# Allegro board Single PMT Data AcquisitionV_3P3.brd (continued)
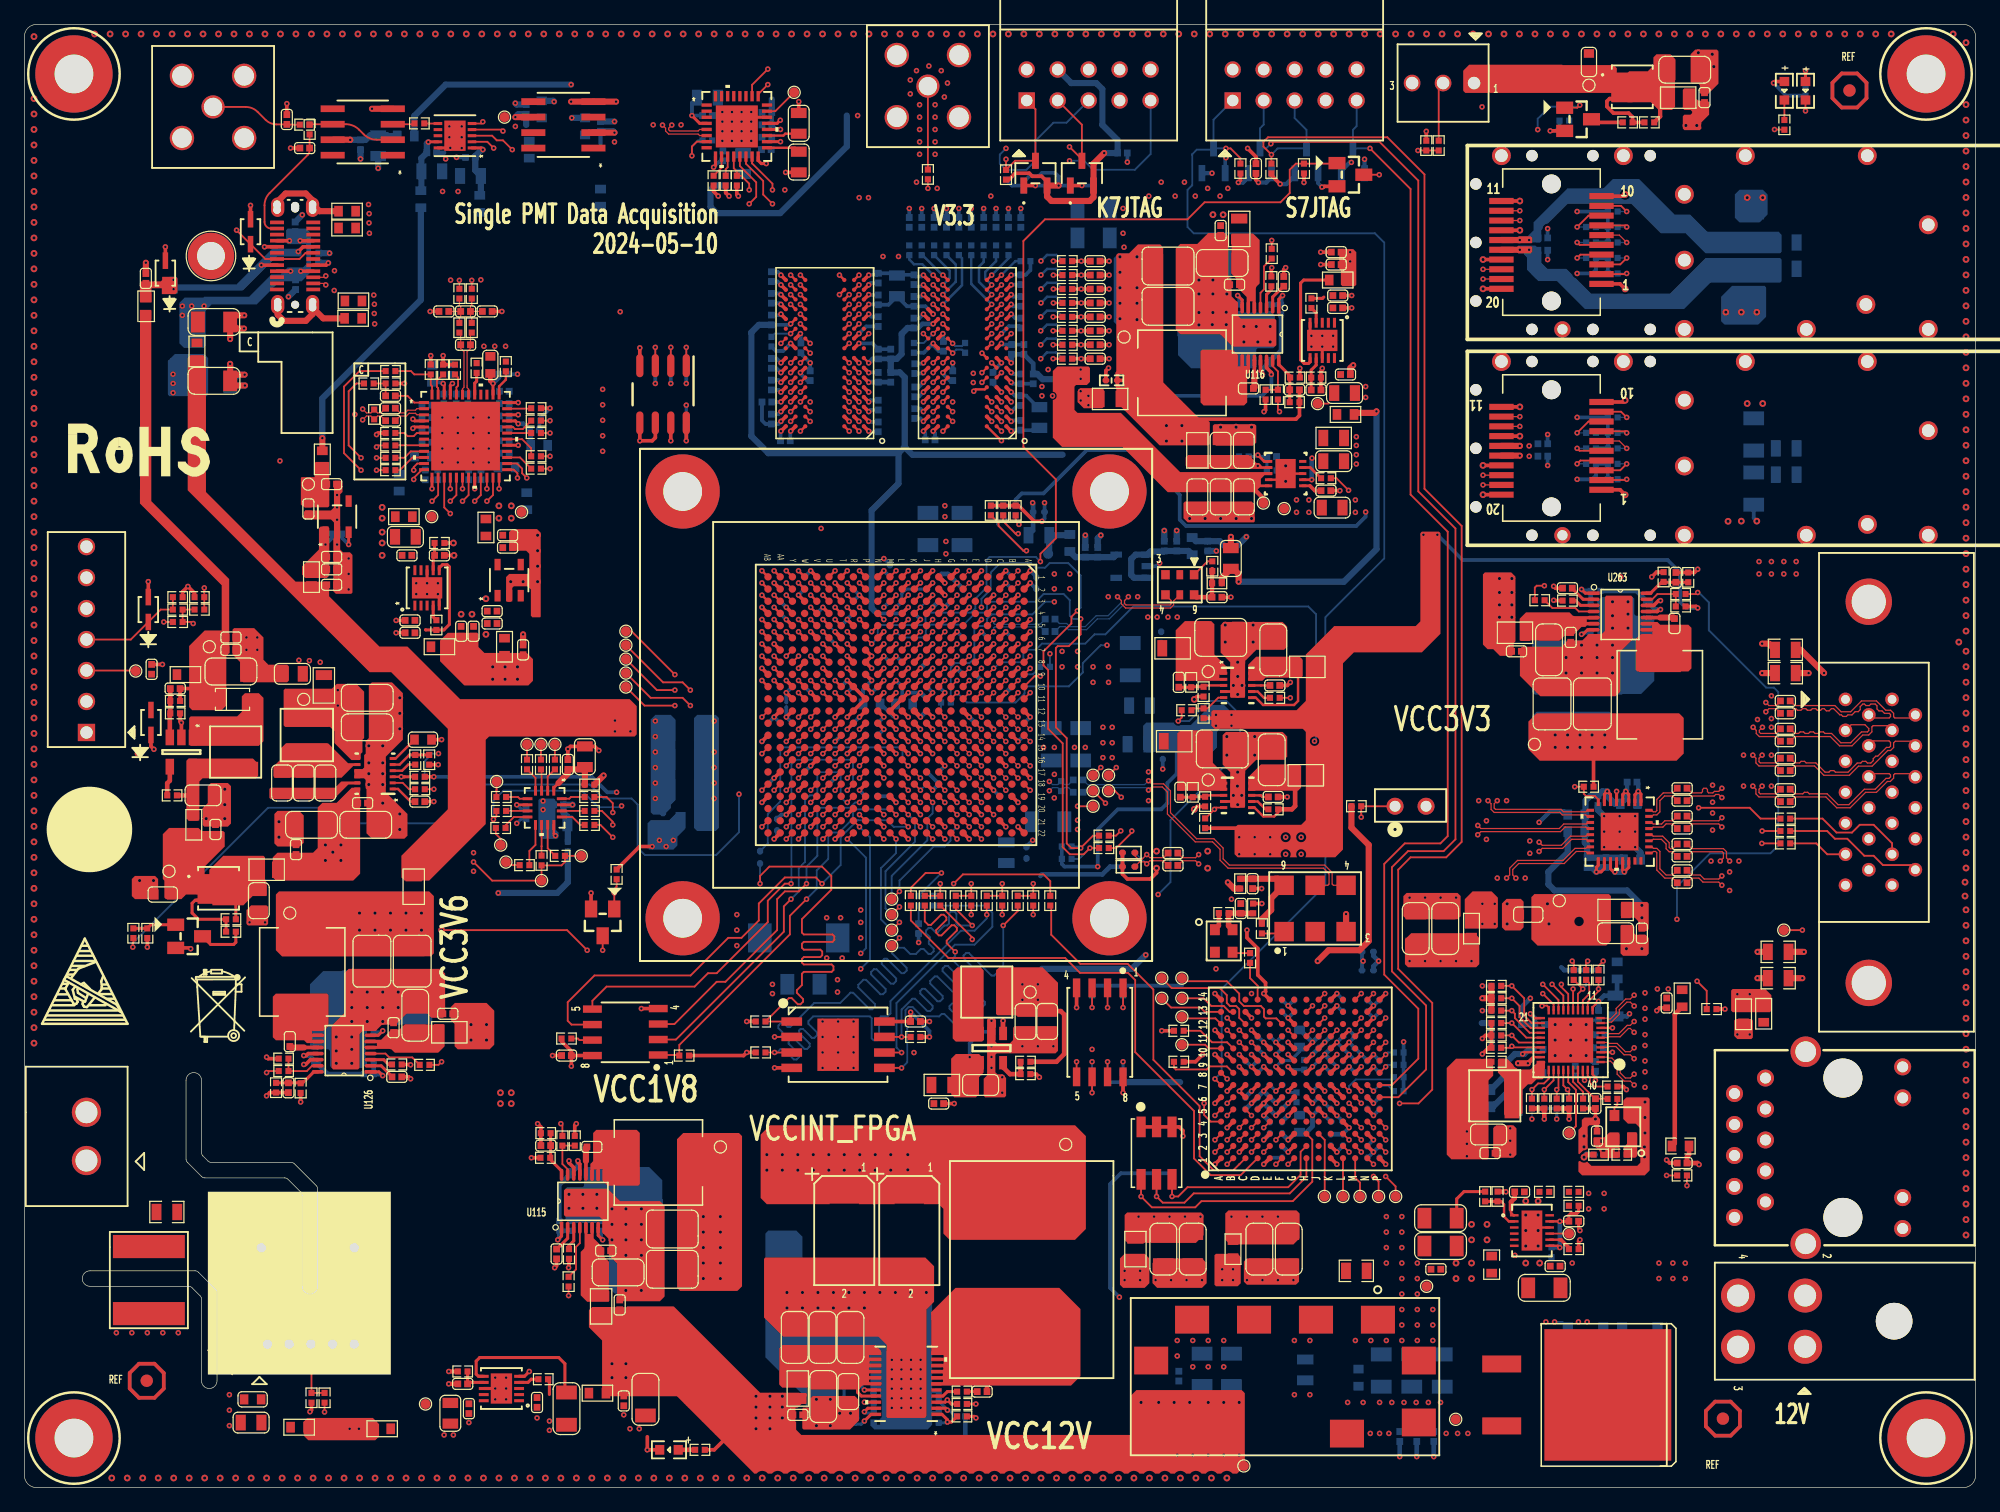
[diagram p0: board, top side]
## Copper pours and planes (outline as drawn; the poured copper is in the pictures) (continued)
GND on TOP (solid shape): 34.5,42.15 34.5,38.7 34.34,38.53 33.37,38.53 33.04,38.86 31.34,38.86 30.45,37.97 29.33,37.97 28.8,37.44 28.74,37.45 28.05,37.45 27.99,37.44 27.73,37.44 27.48,37.19 27.48,34.42 27.35,34.29 25.32,34.29 25.19,34.42 25.19,37.88 26.21,38.9 26.21,42.16 26.59,42.55 34.11,42.55
GND on TOP (solid shape): 133.27,31.88 133.27,26.01 132.86,25.6 127.73,25.6 127.43,25.91 127.43,26.69 127.49,26.78 127.6,26.76 127.85,26.65 128.12,26.71 128.15,26.73 128.49,26.39 132.25,26.39 132.51,26.64 132.51,29.46 132.13,29.84 131.49,29.84 131.11,30.23 131.11,31.75 131.37,32 133.14,32
GND on BOTTOM (solid shape): 142.82,98.43 142.82,96.02 142.18,95.38 139.39,95.38 139.14,95.64 139.14,97.67 140.02,98.56 142.69,98.56
GND on BOTTOM (solid shape): 142.95,106.05 142.95,104.42 142.29,103.76 140.64,103.76 140.25,104.14 140.25,106.05 140.64,106.43 142.56,106.43
GND on BOTTOM (solid shape): 43.55,56.38 43.55,53.97 43.8,53.72 43.8,53.33 43.68,53.21 42.41,53.21 42.15,53.46 42.15,56.38 42.28,56.51 43.42,56.51
GND on BOTTOM (solid shape): 53.39,62.99 53.39,56.39 53.01,56.01 53.01,55.73 52.47,55.19 51.56,55.19 51.35,55.4 51.35,62.99 51.74,63.37 53.01,63.37
GND on BOTTOM (solid shape): 33.45,42.16 33.45,38.1 33.32,37.97 28.11,37.97 27.99,37.85 27.99,34.67 27.73,34.42 25.19,34.42 25.07,34.54 25.07,35.81 24.94,35.94 23.54,35.94 23.41,36.07 23.41,41.27 24.49,42.35 26.02,42.35 26.08,42.42 33.19,42.42
GND on BOTTOM (solid shape): 98.98,101.7 98.98,96.49 99.11,96.37 102.28,96.37 102.54,96.11 102.54,93.57 102.41,93.45 101.14,93.45 101.01,93.32 101.01,91.92 100.89,91.8 95.68,91.8 94.6,92.88 94.6,94.4 94.53,94.46 94.53,101.57 94.79,101.83 98.85,101.83
GND on BOTTOM (solid shape): 132,72.9 132,71.63 132.13,71.5 133.53,71.5 133.65,71.38 133.65,66.17 132.58,65.09 131.05,65.09 130.99,65.03 123.88,65.03 123.62,65.28 123.62,69.35 123.75,69.47 128.96,69.47 129.08,69.6 129.08,72.77 129.34,73.03 131.88,73.03
GND on BOTTOM (solid shape): 52.31,25.21 52.31,23.69 52.37,23.62 52.37,16.05 52.24,15.92 48.39,15.92 47.93,16.38 47.93,21.59 47.8,21.72 44.62,21.72 44.37,21.97 44.37,24.51 44.5,24.64 45.77,24.64 45.89,24.77 45.89,26.16 46.02,26.29 51.23,26.29
GND on BOTTOM (solid shape): 63.8,20.57 63.8,17.02 64.22,16.6 74.04,16.6 74.44,16.2 74.44,5.15 74.06,4.77 69.7,4.77 69.38,5.09 69.38,5.16 70.18,5.16 70.18,5.46 69.67,5.46 69.67,5.16 69.38,5.16 69.38,5.58 70.11,5.58 70.3,5.77 70.3,7.21 70.1,7.41 70.1,7.42 70.08,7.42 70.05,7.46 69.44,7.46 69.36,7.54 69.36,7.67 70.18,7.67 70.18,7.98 69.67,7.98 69.67,7.67 69.36,7.67 69.36,9.49 69.23,9.62 67.2,9.62 66.58,9.01 66.58,6.62 66.75,6.45 66.75,6.4 66.8,6.4 66.83,6.37 67.91,6.37 67.97,6.31 67.97,5.89 67.9,5.82 66.76,5.82 66.57,5.63 66.57,5.07 66.28,4.78 64.48,4.78 64.06,5.21 64.06,7.39 60.75,10.69 60.75,20.83 61.01,21.08 63.29,21.08
GND on TOP: 7.29,15.24 12.87,15.24 13.13,14.99 13.13,12.45 12.87,12.19 7.67,12.19 7.29,12.57
GND on TOP: 109.24,81.18 107.79,81.18 107.67,81.05 107.67,79.68 107.84,79.5 109.24,79.5 109.44,79.71 109.44,80.98
GND on TOP: 108.58,92.94 108.58,88.49 108.84,88.24 109.22,88.24 110.24,89.26 110.24,91.31 109.73,91.82 109.73,92.05 109.35,92.43 109.35,98.02 109.22,98.15 107.95,98.15 107.82,98.02 107.82,94.97 107.7,94.84 105.16,94.84 105.16,93.32 108.2,93.32
GND on TOP: 34.29,3.94 34.04,4.19 34.04,5.33 34.92,6.22 37.97,6.22 38.35,6.6 38.35,9.4 38.48,9.53 39.75,9.53 39.88,9.4 39.88,6.86 40.01,6.73 41.15,6.73 41.27,6.86 51.44,6.86 51.82,6.48 51.82,4.19 51.56,3.94 ; 2 cut-outs
GND on TOP: 88.39,76.2 88.39,73.03 90.3,71.12 94.61,71.12 94.87,71.37 94.87,71.5 100.71,71.5 101.09,71.88 101.09,78.11 100.58,78.61 93.85,78.61 93.73,78.49 93.73,76.96 93.98,76.71 99.82,76.71 100.2,76.33 100.2,73.53 100.08,73.41 98.93,73.41 98.81,73.28 98.81,72.64 98.55,72.39 95,72.39 94.36,71.75 90.17,71.75 89.15,72.77 89.15,76.2 89.03,76.33 88.52,76.33
GND on TOP: 39.8,92.25 39.8,93.78 39.71,93.87 39.69,93.89 37.43,93.89 37.31,93.77 37.31,93.23 36.7,92.62 36.7,91.9 36.75,91.85 37.21,91.85 37.63,92.27 37.63,92.27 38.85,92.27 39.01,92.1 39.65,92.1
GND on TOP: 98.09,44.32 98.09,43.05 98.6,43.05 100.89,40.77 100.89,40.39 100.76,40.26 100.5,40.26 98.47,42.29 96.69,42.29 96.31,42.67 96.31,47.62 97.2,48.51 99.87,48.51 100,48.39 100,47.62 99.11,47.62 98.92,47.82 97.52,47.82 96.82,47.12 96.82,44.45 96.95,44.32
GND on TOP: 158.24,19.94 158.24,44.96 157.48,45.72 157.48,109.73 148.34,118.87 130.05,118.87 128.52,117.35 127.76,117.35 126.24,118.87 14.22,118.87 13.66,118.31 10.38,118.31 10.38,115.03 1.14,105.79 1.14,36.32 0.89,36.07 0.51,36.07 0.51,119 0.65,119.35 1,119.49 159,119.49 159.35,119.35 159.49,119 159.49,19.94 ; 1 cut-out
GND on TOP: 18.21,7.87 18.21,4.7 18.08,4.57 16.56,4.57 16.3,4.83 16.3,7.75 16.56,8 18.08,8
GND on TOP: 35.56,72.26 38.1,72.26 38.23,72.14 38.23,69.72 38.1,69.6 37.59,69.6 37.47,69.72 37.47,70.23 37.34,70.36 35.56,70.36 35.43,70.48 35.43,72.14
GND on TOP: 90.85,15.49 98.3,15.49 98.68,15.11 98.68,9.53 98.04,8.89 90.98,8.89 90.72,9.14 90.72,15.37
GND on TOP: 109.37,84.99 107.92,84.99 107.79,84.86 107.79,83.49 107.97,83.31 109.37,83.31 109.57,83.52 109.57,84.79
GND on TOP: 29.97,69.47 28.57,70.87 28.57,78.11 29.08,78.61 30.61,78.61 30.99,78.23 30.99,76.96 31.24,76.71 31.24,75.06 31.75,74.55 34.16,74.55 34.29,74.42 34.29,73.15 34.16,73.03 31.75,73.03 31.37,72.64 31.37,69.72 31.11,69.47
GND on TOP: 94.87,76.83 93.98,75.95 93.98,74.68 93.85,74.55 89.66,74.55 89.03,73.91 88.65,73.91 88.39,74.17 88.39,76.2 89.28,77.09 92.96,77.09 93.09,77.22 93.09,78.49 93.22,78.61 94.61,78.61 94.87,78.36
GND on TOP: 27.11,98.13 27.11,95.2 29.07,95.2 29.07,98.13
GND on TOP: 26.68,105.56 26.68,102.63 28.64,102.63 28.64,105.56
GND on TOP: 34.29,5.59 35.43,5.59 35.56,5.46 35.56,4.06 35.43,3.94 34.29,3.94 34.16,4.06 34.16,5.46
GND on BOTTOM: 73.88,99.21 72.21,99.21 72.03,99.03 70.94,99.03 70.63,99.34 69.67,99.34 69.52,99.19 69.03,99.19 68.93,99.29 68.93,101.04 69.14,101.24 71.85,101.24 72.03,101.07 72.03,100.23 72.39,99.87 73.71,99.87 73.96,99.62 73.96,99.29
GND on BOTTOM: 36.2,105.79 36.2,107.95 35.69,108.46 35.69,109.47 36.2,109.98 36.2,111.76 35.94,112.01 34.54,112.01 34.29,111.76 34.29,108.97 33.78,108.46 33.78,105.79 33.91,105.66 36.07,105.66
GND on BOTTOM: 94.41,9.27 95.17,9.27 95.55,9.65 99.44,9.65 99.82,10.03 99.82,12.19 99.57,12.45 94.53,12.45 94.03,11.94 94.03,9.65
GND on BOTTOM: 64.64,46.74 64.9,46.99 67.44,46.99 67.69,46.74 67.69,43.43 67.31,43.05 67.31,40.64 67.06,40.39 64.77,40.39 64.52,40.64 64.52,42.55 64.64,42.67
GND on BOTTOM: 142.69,81.67 140.02,81.67 139.14,80.79 139.14,78.75 139.39,78.5 142.18,78.5 142.82,79.13 142.82,81.55
GND on BOTTOM: 33.07,91.69 34.59,91.69 34.72,91.82 35.1,91.82 35.23,91.95 35.23,92.96 35.1,93.09 33.19,93.09 32.94,92.84 32.94,91.82
GND on BOTTOM: 56.13,110.24 56.13,114.68 56.26,114.81 59.18,114.81 60.71,113.28 60.71,110.24 60.58,110.11 60.58,109.22 60.45,109.09 58.17,109.09 57.91,109.35 57.02,109.35 ; 6 cut-outs
GND on BOTTOM: 83.31,59.05 83.31,60.07 83.19,60.2 83.19,60.71 83.44,60.96 87.38,60.96 87.5,60.83 87.5,59.05 87.38,58.93 83.44,58.93
GND on BOTTOM: 39.09,83.36 39.09,90.02 38.99,90.12 38.5,90.12 38.32,89.94 38.32,89.53 38.15,89.36 37.21,89.36 36.95,89.1 33.35,89.1 33.14,88.9 33.14,85.32 32.61,84.79 32.61,83.44 32.84,83.21 38.93,83.21
GND on BOTTOM: 158.5,19.94 158.5,45.85 157.48,46.86 152.27,46.86 150.62,48.51 150.62,69.34 152.15,70.87 154.18,70.87 155.07,71.75 155.07,106.68 153.16,108.58 146.69,108.58 136.53,118.75 24,118.75 22.48,117.22 22.48,106.17 19.68,106.17 19.68,103.38 12.95,103.38 12.95,99.69 11.18,99.69 11.18,89.28 12.7,89.28 12.7,92.96 12.95,92.96 12.95,96.9 12.7,96.9 12.7,97.66 15.11,97.66 15.11,97.16 14.86,97.16 14.86,89.15 16,89.15 16,96.39 16.13,96.52 19.05,96.52 19.3,96.27 19.3,92.33 19.81,91.82 26.16,91.82 27.81,90.17 27.81,80.77 26.04,78.99 13.72,78.99 11.56,76.83 7.24,76.83 5.21,78.87 2.16,78.87 1.78,78.49 1.78,36.7 1.27,36.2 0.51,36.2 0.51,115.06 4.94,119.49 159,119.49 159.35,119.35 159.49,119 159.49,46.88 159.51,46.86 159.49,46.86 159.49,19.94 ; 2 cut-outs
GND on BOTTOM: 77.52,81.28 73.33,81.28 72.94,80.9 72.94,79.5 73.2,79.25 77.64,79.25 77.9,79.5 77.9,80.9
GND on BOTTOM: 124.38,38.48 124.38,34.04 124.51,33.91 126.03,33.91 126.41,34.29 127.94,34.29 128.32,34.67 129.08,34.67 129.21,34.8 129.21,35.43 128.95,35.69 128.95,37.47 129.59,38.1 131.62,38.1 131.87,38.35 131.87,39.12 131.75,39.24 129.97,39.24 129.46,38.73 124.63,38.73
GND on BOTTOM: 121.46,31.24 121.46,28.32 121.59,28.19 122.86,28.19 122.98,28.32 122.98,31.24 122.86,31.37 121.59,31.37
GND on BOTTOM: 92.62,16.81 96.69,16.81 96.81,16.93 96.81,18.71 96.69,18.84 92.62,18.84 92.5,18.71 92.5,16.93
GND on BOTTOM: 88.69,105.79 90.22,105.79 90.47,105.54 90.47,102.11 89.84,101.47 88.57,101.47 88.31,101.73 88.31,105.41
GND on BOTTOM: 29,65.66 30.91,65.66 31.16,65.41 31.16,62.1 30.91,61.85 29.13,61.85 28.75,62.23 28.75,65.41
GND on BOTTOM: 84.71,55.5 86.61,55.5 86.74,55.37 86.74,53.59 86.61,53.47 84.84,53.47 84.71,53.59
GND on BOTTOM: 140.64,89.55 142.56,89.55 142.95,89.17 142.95,87.53 142.29,86.88 140.64,86.88 140.25,87.26 140.25,89.17
GND on BOTTOM: 119.68,34.04 120.06,34.04 120.19,34.16 120.19,35.31 119.81,35.69 119.81,37.08 119.68,37.21 119.55,37.21 119.3,36.96 119.3,34.42
GND on BOTTOM: 90.68,72.01 94.61,72.01 94.87,71.75 94.87,70.87 93.85,69.85 92.71,69.85 91.57,68.71 89.53,68.71 89.53,70.87
GND on GND02: 1,0.51 0.65,0.65 0.51,1 0.51,12.83 6.52,12.83 6.91,13.21 6.91,16.13 7.03,16.26 13.13,16.26 13.51,15.88 13.51,13.34 14.02,12.83 32.69,12.83 33.07,13.21 33.07,17.02 32.3,17.78 26.59,17.78 25.95,18.41 25.95,20.95 26.59,21.59 31.8,21.59 33.07,22.86 33.07,30.1 32.81,30.35 18.08,30.35 13.38,35.05 10.33,35.05 9.34,36.04 0.51,36.04 0.51,119 0.65,119.35 1,119.49 159,119.49 159.35,119.35 159.49,119 159.49,19.94 138.56,19.94 132.97,25.53 121.1,25.53 121.07,25.49 116.04,25.49 114.05,23.5 107.82,23.5 106.3,21.97 106.3,15.75 101.22,10.67 101.22,2.92 98.81,0.51 ; 2 cut-outs
GND on ART03: 0.51,36.07 0.51,119 0.65,119.35 1,119.49 159,119.49 159.35,119.35 159.49,119 159.49,112.39 148.08,112.39 145.92,114.55 145.16,114.55 144.15,113.54 144.15,107.19 141.86,104.9 133.6,104.9 132.46,103.76 132.46,96.9 130.43,94.87 92.08,94.87 91.31,95.63 91.31,106.05 86.36,111 69.34,111 63.63,116.71 61.21,116.71 60.71,116.2 60.71,111.12 59.69,110.11 53.98,110.11 53.59,110.49 53.59,112.01 53.21,112.39 52.07,112.39 51.82,112.14 51.82,102.49 40.39,91.06 39.12,91.06 38.23,90.17 28.45,90.17 27.3,89.03 27.3,87.38 26.8,86.87 26.8,69.47 25.65,68.33 23.88,68.33 23.88,89.66 19.68,93.85 19.68,97.79 21.34,99.44 24.51,99.44 24.51,99.95 21.34,99.95 21.34,100.08 21.21,100.2 20.19,100.2 19.81,99.82 19.81,101.6 19.05,101.6 19.05,99.31 18.03,98.3 18.03,91.82 21.46,88.39 21.46,68.33 17.65,68.33 15.49,70.48 10.29,70.48 9.53,69.72 9.53,52.07 16.76,44.83 16.76,37.97 14.86,36.07 ; 1 cut-out
GND on ART03: 1,0.51 0.65,0.65 0.51,1 0.51,12.83 6.52,12.83 6.91,13.21 6.91,16.13 7.03,16.26 13.13,16.26 13.51,15.88 13.51,13.34 14.02,12.83 33.7,12.83 33.96,13.08 33.96,22.35 34.46,22.86 92.25,22.86 96.06,19.05 106.3,19.05 106.3,15.75 101.22,10.67 101.22,2.92 98.81,0.51
GND on GND04: 1,0.51 0.65,0.65 0.51,1 0.51,12.83 6.52,12.83 6.91,13.21 6.91,16.13 7.03,16.26 13.13,16.26 13.51,15.88 13.51,13.34 14.02,12.83 32.69,12.83 33.07,13.21 33.07,17.02 32.3,17.78 26.59,17.78 25.95,18.41 25.95,20.95 26.59,21.59 31.8,21.59 33.07,22.86 33.07,30.1 32.81,30.35 18.08,30.35 13.38,35.05 10.33,35.05 9.34,36.04 0.51,36.04 0.51,119 0.65,119.35 1,119.49 159,119.49 159.35,119.35 159.49,119 159.49,72.9 159.49,72.9 159.49,44.37 159.49,44.37 159.49,19.94 138.56,19.94 132.97,25.53 121.1,25.53 121.07,25.49 116.04,25.49 114.05,23.5 107.82,23.5 106.3,21.97 106.3,15.75 101.22,10.67 101.22,2.92 98.81,0.51 ; 2 cut-outs
GND on POWR05: 1,0.51 0.65,0.65 0.51,1 0.51,12.83 6.52,12.83 6.91,13.21 6.91,16.13 7.03,16.26 13.13,16.26 13.51,15.88 13.51,13.34 14.02,12.83 32.69,12.83 33.07,13.21 33.07,2.56 34.36,1.27 98.93,1.27 98.93,0.51
GND on POWR05: 138.56,19.94 132.97,25.53 122.35,25.53 121.46,26.42 121.46,41.8 124.36,44.7 138.71,44.7 141.65,47.65 141.65,110.6 140.23,112.01 111.32,112.01 109.03,109.73 99.76,109.73 98.73,108.69 98.73,103.1 97.99,102.36 57.98,102.36 56.31,100.69 56.31,96.5 55.06,95.25 50.67,95.25 43.43,88.01 43.43,73.66 40.77,70.99 40.69,71.07 40.69,70.94 39.85,70.1 34.1,70.1 33.07,69.07 33.07,30.1 32.81,30.35 18.08,30.35 13.38,35.05 10.33,35.05 9.34,36.04 0.51,36.04 0.51,119 0.65,119.35 1,119.49 159,119.49 159.35,119.35 159.49,119 159.49,19.94 ; 1 cut-out
GND on ART06: 1,0.51 0.65,0.65 0.51,1 0.51,12.83 6.52,12.83 6.91,13.21 6.91,16.13 7.03,16.26 13.13,16.26 13.51,15.88 13.51,13.34 14.02,12.83 32.69,12.83 33.07,13.21 33.07,17.02 32.3,17.78 26.59,17.78 25.95,18.41 25.95,20.95 26.59,21.59 31.8,21.59 33.07,22.86 33.07,30.1 32.81,30.35 18.08,30.35 13.38,35.05 10.33,35.05 9.34,36.04 0.51,36.04 0.51,119 0.65,119.35 1,119.49 159,119.49 159.35,119.35 159.49,119 159.49,19.94 138.56,19.94 132.97,25.53 116.08,25.53 114.05,23.5 107.82,23.5 105.28,20.95 105.28,16.76 105.03,16.51 101.85,16.51 101.22,15.88 101.22,2.92 98.81,0.51 ; 4 cut-outs
GND on GND07: 1,0.51 0.65,0.65 0.51,1 0.51,12.83 6.52,12.83 6.91,13.21 6.91,16.13 7.03,16.26 13.13,16.26 13.51,15.88 13.51,13.34 14.02,12.83 32.69,12.83 33.07,13.21 33.07,17.02 32.3,17.78 26.59,17.78 25.95,18.41 25.95,20.95 26.59,21.59 31.8,21.59 33.07,22.86 33.07,30.1 32.81,30.35 18.08,30.35 13.38,35.05 10.33,35.05 9.34,36.04 0.51,36.04 0.51,119 0.65,119.35 1,119.49 159,119.49 159.35,119.35 159.49,119 159.49,70.61 162.05,70.61 162.05,46.28 159.49,46.28 159.49,19.94 138.56,19.94 132.97,25.53 116.08,25.53 114.05,23.5 107.82,23.5 105.28,20.95 105.28,16.76 105.03,16.51 101.85,16.51 101.22,15.88 101.22,2.92 98.81,0.51 ; 2 cut-outs
GND on ART08: 155.27,19.94 155.01,20.97 154.22,21.7 154.22,21.72 153.29,22.65 153.29,47.5 154.22,48.43 154.22,67.9 153.08,69.04 139.87,69.04 134.49,74.42 134.49,106.55 132.97,108.08 116.84,108.08 111.76,103 89,103 88.46,102.46 57.12,102.46 53.62,98.96 52.22,98.96 47.75,94.49 47.37,94.49 47.24,94.61 47.24,115.95 47.12,116.08 38.61,116.08 35.43,112.9 0.51,112.9 0.51,119 0.65,119.35 1,119.49 159,119.49 159.35,119.35 159.49,119 159.49,46.88 159.51,46.86 159.49,46.84 159.49,19.94
GND on ART08: 0.51,36.2 0.51,107.57 1.52,108.58 23.88,108.58 27.05,105.41 27.05,95.5 28.32,94.23 34.34,94.23 34.72,93.85 34.72,93.22 35.73,92.2 35.73,83.82 34.59,82.68 34.59,79.12 35.23,78.49 35.23,55.37 33.45,53.59 33.45,37.59 32.05,36.2 27.31,36.2 26.84,36.47 26.37,36.2 25.95,36.2 25.57,36.35 25.2,36.2 ; 1 cut-out
GND on ART08: 1,0.51 0.65,0.65 0.51,1 0.51,7.62 15.12,7.62 15.2,7.62 33.4,7.62 36.5,10.72 36.5,24.26 42.97,30.73 42.97,47.24 43.86,48.13 53.39,48.13 54.78,46.74 54.78,10.8 57.96,7.62 59.31,7.62 59.38,7.59 59.41,7.51 59.41,7.49 59.45,7.27 59.57,7.08 59.59,7.05 59.41,6.6 59.59,6.16 59.41,5.72 59.59,5.27 59.57,5.23 59.45,5.05 59.41,4.83 59.58,4.41 59.99,4.24 60.27,4.31 60.48,4.5 60.56,4.55 60.65,4.5 60.86,4.31 61.13,4.24 61.55,4.41 61.72,4.83 61.68,5.05 61.55,5.23 61.54,5.27 61.55,5.31 61.57,5.32 61.64,5.36 61.72,5.32 61.91,5.18 62.15,5.13 62.56,5.3 62.73,5.72 62.69,5.94 62.57,6.12 62.55,6.16 62.73,6.6 62.55,7.05 62.57,7.08 62.69,7.27 62.73,7.49 62.73,7.51 62.76,7.59 62.84,7.62 68.76,7.62 68.82,7.61 68.88,7.6 68.94,7.61 69,7.62 75.29,7.62 75.39,7.56 75.37,7.45 75.3,7.33 75.27,7.19 75.32,7 75.45,6.85 75.5,6.77 75.46,6.68 75.33,6.54 75.28,6.35 75.69,5.94 76.1,6.35 76.05,6.54 75.92,6.69 75.87,6.77 75.91,6.86 76.04,7 76.09,7.19 76.06,7.33 75.99,7.45 75.98,7.56 76.07,7.62 99.18,7.62 99.28,7.55 99.25,7.44 99.09,7.24 99.03,6.99 99.2,6.57 99.62,6.4 99.94,6.5 100.16,6.76 100.25,6.83 100.34,6.76 100.71,6.43 101.21,6.5 101.21,2.91 98.81,0.51
GND on GND09: 1,0.51 0.65,0.65 0.51,1 0.51,12.83 6.52,12.83 6.91,13.21 6.91,16.13 7.03,16.26 13.13,16.26 13.51,15.88 13.51,13.34 14.02,12.83 32.69,12.83 33.07,13.21 33.07,17.02 32.3,17.78 26.59,17.78 25.95,18.41 25.95,20.95 26.59,21.59 31.8,21.59 33.07,22.86 33.07,30.1 32.81,30.35 18.08,30.35 13.38,35.05 10.33,35.05 9.34,36.04 0.51,36.04 0.51,119 0.65,119.35 1,119.49 159,119.49 159.35,119.35 159.49,119 159.49,70.04 159.45,69.77 159.34,69.52 162.51,69.52 162.51,45.9 159.49,45.9 159.49,19.94 138.56,19.94 132.97,25.53 116.08,25.53 114.05,23.5 107.82,23.5 105.28,20.95 105.28,16.76 105.03,16.51 101.85,16.51 101.22,15.88 101.22,2.92 98.81,0.51 ; 2 cut-outs
GND_EARTH on TOP: 103.76,8.13 105.79,8.13 106.05,7.87 106.05,2.67 106.81,1.91 151.26,1.91 152.4,3.05 152.4,5.97 154.18,7.75 157.35,7.75 159.13,5.97 159.13,1.78 158.24,0.89 104.9,0.89 103.5,2.29 103.5,7.87
GND_EARTH on BOTTOM: 103.76,8.13 105.79,8.13 106.05,7.87 106.05,2.67 106.81,1.91 151.26,1.91 152.27,2.92 152.27,6.54 153.42,7.68 157.8,7.68 159.13,6.35 159.13,2.29 157.73,0.89 104.9,0.89 103.5,2.29 103.5,7.87
GND_EARTH on BOTTOM: 105.92,9.27 106.05,9.14 106.05,7.49 105.92,7.37 104.01,7.37 103.89,7.49 103.89,9.14 104.01,9.27
GND_EARTH on GND02, ART03, GND04, POWR05, ART08, GND09: 149.22,1.91 155.07,7.75 157.61,7.75 158.75,6.6 158.75,2.41 157.23,0.89 104.9,0.89 103.5,2.29 103.5,7.75 103.89,8.13 105.79,8.13 106.05,7.87 106.05,2.67 106.81,1.91
GND_EARTH on GND07: 149.22,1.91 155.07,7.75 157.61,7.75 158.75,6.6 158.75,2.41 157.23,0.89 104.9,0.89 103.5,2.29 103.5,7.75 103.89,8.13 105.79,8.13 106.05,7.87 106.05,2.67 106.81,1.91
GND_FPGA_LAN on TOP: 147.45,20.45 147.45,19.05 147.07,18.67 144.4,18.67 144.19,18.88 144.19,34.88 142.24,36.83 142.24,38.35 142.37,38.48 146.56,38.48 147.32,37.72 147.32,35.05 146.69,34.42 146.69,21.21
VCC1V5 on TOP (solid shape): 93.38,101.71 93.38,101.19 93.39,101.18 93.39,90.63 96.39,87.63 96.95,87.63 97.2,87.38 97.2,85.57 97.1,85.47 93.09,85.47 89.53,89.03 89.53,90.3 90.17,90.3 90.17,91.31 89.53,91.31 89.53,101.09 89.66,101.22 90.58,101.22 91.31,101.96 93.14,101.96
VCC1V5 on BOTTOM (solid shape): 93.14,101.45 93.14,95.48 93.01,95.35 89.58,95.35 89.33,95.61 89.33,100.84 89.71,101.22 91.44,101.22 91.82,101.6 92.99,101.6
VCC1V5 on ART06: 89.41,101.85 95,101.85 95.25,101.6 95.25,85.34 95,85.09 90.3,85.09 89.28,86.11 89.28,101.73
VCC1V5_FPGA on TOP (solid shape): 88.52,90.04 88.52,88.65 88.39,88.52 86.87,88.52 86.36,89.03 86.36,89.92 86.61,90.17 88.39,90.17
VCC1V5_FPGA on BOTTOM: 77.85,76.33 77.98,76.45 77.98,77.98 77.72,78.23 73.03,78.23 72.9,78.11 72.9,76.45 73.03,76.33
VCC1V5_FPGA on POWR05: 55.37,99.03 56.82,100.48 58.19,101.85 97.99,101.85 98.73,101.11 98.73,70.97 97.73,69.98 72.13,69.98 70.99,68.83 68.96,68.83 68.2,68.07 68.2,64.9 66.93,63.63 66.93,61.98 66.67,61.72 57.02,61.72 56.82,61.93 56.82,64.09 53.34,67.56 53.34,77.22 50.04,80.52 50.04,84.07 51.31,85.34 54.61,85.34 55.37,86.11
VCC1V8 on TOP (solid shape): 99.74,18.92 99.74,16.76 99.49,16.51 97.71,16.51 97.58,16.64 97.58,19.05 97.71,19.18 99.49,19.18
VCC1V8 on TOP (solid shape): 58.85,28.83 58.85,16.51 58.47,16.13 53.77,16.13 53.52,16.38 53.52,16.9 53.51,16.91 53.51,28.57 54.02,29.08 58.59,29.08
VCC1V8 on TOP (solid shape): 116.12,78.27 116.12,70.02 114.59,68.49 109.01,68.49 108.12,67.61 108.12,52.32 107.49,51.69 105.01,51.69 105.03,51.71 105.06,51.76 105.08,51.81 105.1,51.87 105.1,51.93 105.1,51.98 105.09,52.04 105.07,52.09 105.05,52.15 105.02,52.19 104.98,52.24 104.94,52.27 104.89,52.3 104.84,52.33 104.78,52.34 104.72,52.35 104.67,52.35 104.61,52.34 104.55,52.33 104.5,52.3 104.45,52.27 104.41,52.24 104.37,52.19 104.34,52.15 104.32,52.09 104.3,52.04 104.29,51.98 104.29,51.93 104.29,51.87 104.31,51.81 104.33,51.76 104.36,51.71 104.38,51.69 103.74,51.69 103.76,51.71 103.79,51.76 103.81,51.81 103.83,51.87 103.83,51.93 103.83,51.98 103.82,52.04 103.8,52.09 103.78,52.15 103.75,52.19 103.71,52.24 103.67,52.27 103.62,52.3 103.57,52.33 103.51,52.34 103.45,52.35 103.4,52.35 103.34,52.34 103.28,52.33 103.23,52.3 103.18,52.27 103.14,52.24 103.1,52.19 103.07,52.15 103.05,52.09 103.03,52.04 103.02,51.98 103.02,51.93 103.02,51.87 103.04,51.81 103.06,51.76 103.09,51.71 103.11,51.69 99.49,51.69 99.23,51.94 99.23,53.34 103.02,53.34 103.02,53.28 103.03,53.23 103.05,53.17 103.08,53.12 103.11,53.08 103.15,53.04 103.2,53 103.25,52.97 103.3,52.95 103.35,52.94 103.41,52.93 103.47,52.93 103.52,52.94 103.58,52.96 103.63,52.99 103.68,53.02 103.72,53.06 103.75,53.1 103.78,53.15 103.81,53.2 103.82,53.26 103.83,53.31 103.83,53.34 104.29,53.34 104.29,53.28 104.3,53.23 104.32,53.17 104.35,53.12 104.38,53.08 104.42,53.04 104.47,53 104.52,52.97 104.57,52.95 104.62,52.94 104.68,52.93 104.74,52.93 104.79,52.94 104.85,52.96 104.9,52.99 104.95,53.02 104.99,53.06 105.02,53.1 105.05,53.15 105.08,53.2 105.09,53.26 105.1,53.31 105.1,53.37 105.09,53.42 105.08,53.48 105.05,53.53 105.02,53.58 104.99,53.62 104.95,53.66 104.9,53.69 104.85,53.72 104.79,53.74 104.74,53.75 104.68,53.75 104.62,53.74 104.57,53.73 104.52,53.71 104.47,53.68 104.42,53.64 104.38,53.6 104.35,53.56 104.32,53.51 104.3,53.45 104.29,53.4 104.29,53.34 103.83,53.34 103.83,53.37 103.82,53.42 103.81,53.48 103.78,53.53 103.75,53.58 103.72,53.62 103.68,53.66 103.63,53.69 103.58,53.72 103.52,53.74 103.47,53.75 103.41,53.75 103.35,53.74 103.3,53.73 103.25,53.71 103.2,53.68 103.15,53.64 103.11,53.6 103.08,53.56 103.05,53.51 103.03,53.45 103.02,53.4 103.02,53.34 99.23,53.34 99.23,54.1 99.49,54.36 104.7,54.36 105.08,54.74 105.08,61.2 105.41,61.2 105.42,61.14 105.43,61.09 105.45,61.04 105.48,60.99 105.52,60.95 105.56,60.91 105.6,60.88 105.65,60.86 105.71,60.84 105.76,60.83 105.82,60.83 105.87,60.84 105.93,60.86 105.98,60.88 106.02,60.91 106.07,60.95 106.1,60.99 106.13,61.04 106.15,61.09 106.17,61.14 106.17,61.2 106.17,61.26 106.16,61.31 106.14,61.36 106.12,61.41 106.08,61.46 106.05,61.5 106,61.53 105.95,61.56 105.9,61.58 105.85,61.59 105.79,61.6 105.74,61.59 105.68,61.58 105.63,61.56 105.58,61.53 105.54,61.5 105.5,61.46 105.46,61.41 105.44,61.36 105.42,61.31 105.41,61.26 105.41,61.2 105.08,61.2 105.08,61.98 104.82,62.23 97.58,62.23 97.33,62.48 97.33,63.63 97.46,63.75 104.31,63.75 105.08,64.52 105.08,68.33 107.4,70.65 114.09,70.65 114.47,71.03 114.47,78.27 114.59,78.4 115.99,78.4
VCC1V8 on BOTTOM (solid shape): 57.58,22.48 57.58,16.64 57.2,16.26 54.15,16.26 53.77,16.64 53.77,22.61 53.9,22.73 57.32,22.73
VCC1V8 on BOTTOM (solid shape): 54.15,55.24 54.15,53.98 53.55,53.37 53.55,52.66 53.21,52.32 51.23,52.32 51.1,52.45 51.1,54.48 51.35,54.74 52.88,54.74 53.51,55.37 54.02,55.37
VCC1V8 on BOTTOM (solid shape): 99.23,63.33 99.23,62.36 99.11,62.23 98.04,62.23 97.79,61.98 97.79,60.71 97.41,60.33 91.95,60.33 91.74,60.53 91.74,62.48 92,62.74 94.26,62.74 94.48,62.51 94.81,62.53 95.64,62.53 97.29,64.19 98.37,64.19
VCC1V8 on BOTTOM: 74.6,37.47 73.71,37.47 73.45,37.21 73.45,34.29 72.94,33.78 61.13,33.78 60.37,34.54 60.37,38.35 59.86,38.86 58.85,38.86 58.59,38.61 58.59,33.4 59.36,32.64 74.22,32.64 75.04,33.46 75.04,37.02
VCC1V8 on POWR05: 43.08,14.73 41.2,16.62 41.2,69.85 41.27,69.85 44.32,72.9 44.32,87 52.07,94.74 55.06,94.74 56.31,93.49 56.31,41.93 59.74,38.5 59.74,25.93 60.65,25.02 77.09,25.02 78.74,26.67 78.74,33.66 86.53,41.45 86.53,68.86 87.15,69.47 102.05,69.47 102.66,68.86 102.66,42.52 101.8,41.66 96.84,41.66 96.06,40.87 96.06,36.83 90.17,30.94 90.17,20.57 90.93,19.81 99.06,19.81 99.57,19.3 99.57,15.37 98.93,14.73
VCC1V8 on ART08: 55.42,22.61 83.31,22.61 90.17,15.75 99.87,15.75 102.54,18.41 106.98,18.41 107.36,18.03 107.36,16 104.57,13.21 102.66,13.21 101.39,11.94 86.49,11.94 81.15,17.27 59.1,17.27 58.34,16.51 55.67,16.51 55.04,17.14 55.04,22.23
VCC1V8_A on TOP: 28.7,82.04 30.73,82.04 30.86,81.92 30.86,79.25 30.73,79.12 28.57,79.12 28.45,79.25 28.45,81.79
VCC1V8_A on BOTTOM: 28.96,82.04 31.11,82.04 31.24,81.92 31.24,79.25 31.11,79.12 29.08,79.12 28.83,79.38 28.83,81.92
VCC1V8_D on TOP: 37.08,78.99 41.27,78.99 41.4,79.12 41.4,80.64 41.15,80.9 38.86,80.9 38.23,80.26 37.08,80.26 36.96,80.14 36.96,79.12
VCC1V8_D on BOTTOM: 42.97,80.64 38.66,80.64 38.4,80.39 38.4,78.36 38.66,78.11 43.99,78.11 44.75,78.87 44.75,85.85 44.5,86.11 42.59,86.11 42.47,85.98 42.47,85.09 42.59,84.96 43.35,84.96 43.61,84.71 43.61,81.28
VCC1V8_FPGA on BOTTOM (solid shape): 56.94,63.12 56.94,54.1 56.69,53.85 55.16,53.85 54.91,54.1 54.91,63.12 55.16,63.37 56.69,63.37
VCC1V8_FPGA on ART06: 55.88,63.12 55.88,53.09 57.3,51.66 79.27,51.66 79.88,52.27 79.88,56.46 79.43,56.92 74.9,56.92 73,58.83 67.67,58.83 67.23,59.26 67.23,63.3 66.95,63.58 66.95,65.68 67.16,65.89 67.16,68 68.17,69.01 68.17,69.44 68.3,69.57 69.34,69.57 69.8,69.11 69.8,68.61 70,68.4 74.9,68.4 75.26,68.76 75.26,70.76 75.06,70.97 71.86,70.97 70.61,72.21 66.09,72.21 66.05,72.17 64.66,72.17 64.44,71.96 64.08,71.96 63.68,71.55 63.68,70.08 63.58,69.98 62.36,69.98 61.8,69.42 61.8,65.71 61.16,65.07 57.84,65.07
VCC1V8_S_FPGA on TOP (solid shape): 104.57,22.48 104.57,20.45 104.06,19.94 98.85,19.94 98.47,20.32 98.47,22.48 98.73,22.73 104.31,22.73
VCC1V8_S_FPGA on ART06: 112.06,25.95 112.06,27.69 111.68,28.07 109.27,28.07 109.01,28.32 109.01,36.45 108.76,36.7 96.69,36.7 96.31,36.32 96.31,22.23 97.33,21.21 102.74,21.21 107.06,25.53 111.63,25.53
VCC2V5 on TOP (solid shape): 84.76,41.4 84.76,38.73 84.63,38.61 81.45,38.61 81.33,38.73 79.8,38.73 79.68,38.86 79.68,42.42 79.93,42.67 83.49,42.67
VCC2V5 on BOTTOM: 83.94,39.85 83.59,39.5 81.66,39.5 81.38,39.78 81.38,44.99 80.01,46.35 80.01,51.56 80.14,51.69 83.44,51.69 83.94,51.18
VCC2V5_FPGA on BOTTOM: 80.52,61.85 81.15,61.85 82.42,60.58 82.42,60.33 83.19,59.56 83.19,53.72 82.93,53.47 81.66,53.47 81.41,53.21 81.41,52.77 81.15,52.51 76.14,52.51 75.56,53.09 75.56,58.67 75.18,59.05 75.18,61.21 75.95,61.98 80.39,61.98
VCC2V5_OFFSET on BOTTOM: 40.89,109.35 41.78,109.35 41.91,109.22 41.91,104.27 41.66,104.01 37.21,104.01 36.96,104.27 36.96,104.9 37.08,105.03 39.88,105.03 40.77,105.92 40.77,109.22
VCC3V3 on TOP (solid shape): 120.82,48.39 120.82,45.97 120.7,45.85 118.11,45.85 118.11,48.26 118.75,48.9 120.32,48.9
VCC3V3 on TOP (solid shape): 136.07,63.12 136.07,60.2 135.48,59.61 124.26,59.61 123.33,60.54 123.33,62.83 124,63.5 135.69,63.5
VCC3V3 on TOP (solid shape): 37.23,70 37.23,68.94 37.72,68.45 41.2,68.45 41.7,67.94 41.7,66.17 41.32,65.79 36.07,65.79 34.08,67.77 34.08,69.47 34.72,70.1 37.13,70.1
VCC3V3 on TOP (solid shape): 133.19,47.9 133.19,45.8 133.04,45.64 132.46,45.64 132.33,45.77 132.33,46.46 132.05,46.74 131.06,46.74 130.91,46.89 130.91,47.9 131.03,48.03 133.07,48.03
VCC3V3 on BOTTOM (solid shape): 130.1,63.5 130.1,60.07 129.84,59.82 124.43,59.82 124.13,60.12 124.13,61.65 123.62,62.15 123.62,63.25 124,63.63 129.97,63.63
VCC3V3 on TOP: 109.37,87.02 108,87.02 107.82,86.84 107.82,85.37 107.97,85.22 109.39,85.22 109.55,85.37 109.55,86.84
VCC3V3 on TOP: 74.72,33.78 73.33,33.78 72.44,32.89 37.89,32.89 37.64,32.64 37.64,30.99 38.02,30.61 40.94,30.61 41.07,30.73 74.47,30.73 74.85,31.11 74.85,33.66
VCC3V3 on BOTTOM: 91.69,65.41 92.2,65.91 92.2,68.96 92.71,69.47 93.85,69.47 95.25,70.87 104.52,70.87 105.41,69.98 105.41,51.56 103.76,49.91 99.19,49.91 97.66,51.44 97.66,55.24 98.17,55.75 99.57,55.75 100.08,56.26 100.08,63.12 98.42,64.77 97.16,64.77 95.63,63.25 91.95,63.25 91.69,63.5
VCC3V3 on BOTTOM: 145.29,103.38 149.61,103.38 150.88,102.11 150.88,76.96 146.81,72.9 142.24,72.9 141.99,73.15 141.99,76.96 145.03,80.01 145.03,103.12
VCC3V3 on BOTTOM: 97.71,55.24 104.95,55.24 105.33,54.86 105.33,52.28 105.41,52.2 105.41,49.36 104.06,48.01 103.68,47.62 96.95,47.62 96.19,46.86 96.19,32.26 95.81,31.88 94.79,31.88 94.41,32.26 94.41,50.93 94.32,51.01 94.32,51.86
VCC3V3 on POWR05: 34.57,1.78 33.58,2.77 33.58,68.86 34.32,69.6 39.85,69.6 40.69,68.76 40.69,16.4 42.87,14.22 99.19,14.22 100.33,15.37 100.33,24.51 105.66,29.84 107.44,29.84 108.76,31.16 108.76,40.49 107.59,41.66 104.04,41.66 103.17,42.52 103.17,69.42 102.49,70.1 99.95,70.1 99.19,70.87 99.19,105.92 98.81,106.3 94.74,106.3 94.49,106.55 94.49,116.84 95.89,118.24 100.97,118.24 101.09,118.11 145.92,118.11 147.32,116.71 147.32,76.58 141.14,70.41 141.14,47.86 138.5,45.21 124.15,45.21 120.95,42.02 120.95,25.95 120.52,25.53 116.08,25.53 114.05,23.5 107.82,23.5 106.3,21.97 106.3,15.75 101.22,10.67 101.22,2.92 100.08,1.78 ; 1 cut-out
VCC3V3_C on BOTTOM: 55.12,116.33 61.72,116.33 62.61,115.44 68.2,115.44 68.83,114.81 68.83,112.14 68.71,112.01 67.06,112.01 66.8,112.27 66.8,113.41 66.55,113.67 61.21,113.67 59.69,115.19 55.88,115.19 55.5,114.81 55.5,113.54 55.37,113.41 54.74,113.41 54.61,113.54 54.61,115.82
VCC3V3_FPGA on BOTTOM: 88.57,63.37 90.81,63.37 90.93,63.5 90.93,65.28 91.69,66.04 91.69,67.44 91.44,67.69 87.12,67.69 87.04,67.61 87.04,64.9
VCC3V3_FPGA on ART06: 87.12,67.94 89.28,67.94 89.53,67.69 89.53,64.01 88.77,63.25 78.23,63.25 77.85,62.87 77.34,62.87 75.69,64.52 75.69,67.69 75.95,67.94 78.61,67.94 78.99,68.33 79.88,68.33 80.26,67.94 82.93,67.94 83.06,67.82 83.06,66.93 83.31,66.67 86.61,66.67 87,67.06 87,67.82
VCC3V3_S_FPGA on TOP (solid shape): 119.3,45.09 119.3,42.93 119.05,42.67 113.46,42.67 113.2,42.93 113.2,44.96 113.71,45.47 118.92,45.47
VCC3V3_S_FPGA on ART06: 103.04,44.07 118.87,44.07 119.13,43.81 119.13,31.37 116.46,28.7 109.52,28.7 109.39,28.83 109.39,36.58 109.04,36.93 103.2,36.93 102.28,37.85 102.28,43.31
VCC3V3_SFPGA_ETH on TOP (solid shape): 130.09,48.51 130.09,44.83 129.71,44.45 124.08,44.45 123.57,44.96 123.57,46.42 127.1,46.42 127.11,46.36 127.12,46.31 127.14,46.26 127.17,46.21 127.21,46.17 127.25,46.13 127.3,46.1 127.35,46.07 127.4,46.06 127.45,46.05 127.51,46.05 127.57,46.06 127.62,46.07 127.67,46.1 127.72,46.13 127.76,46.17 127.79,46.21 127.82,46.26 127.84,46.31 127.86,46.36 127.86,46.42 127.86,46.47 127.85,46.53 127.83,46.58 127.81,46.63 127.78,46.68 127.74,46.72 127.69,46.75 127.64,46.78 127.59,46.8 127.54,46.81 127.48,46.81 127.43,46.81 127.37,46.8 127.32,46.78 127.27,46.75 127.23,46.72 127.19,46.68 127.16,46.63 127.13,46.58 127.11,46.53 127.1,46.47 127.1,46.42 123.57,46.42 123.57,48.43 123.83,48.68 129.93,48.68